# Altium PCB Minion.PcbDoc (part 6 of 10)
Units mm, origin at the board's own origin, x right, y up, seen from the top; angles counter-clockwise.
Board outline 250 x 250 mm, 4 copper layers (Top Layer, Mid-Top Layer, Mid-Bottom Layer, Bottom Layer); 557 components, 153 nets, 5229 pads, 7984 vias.
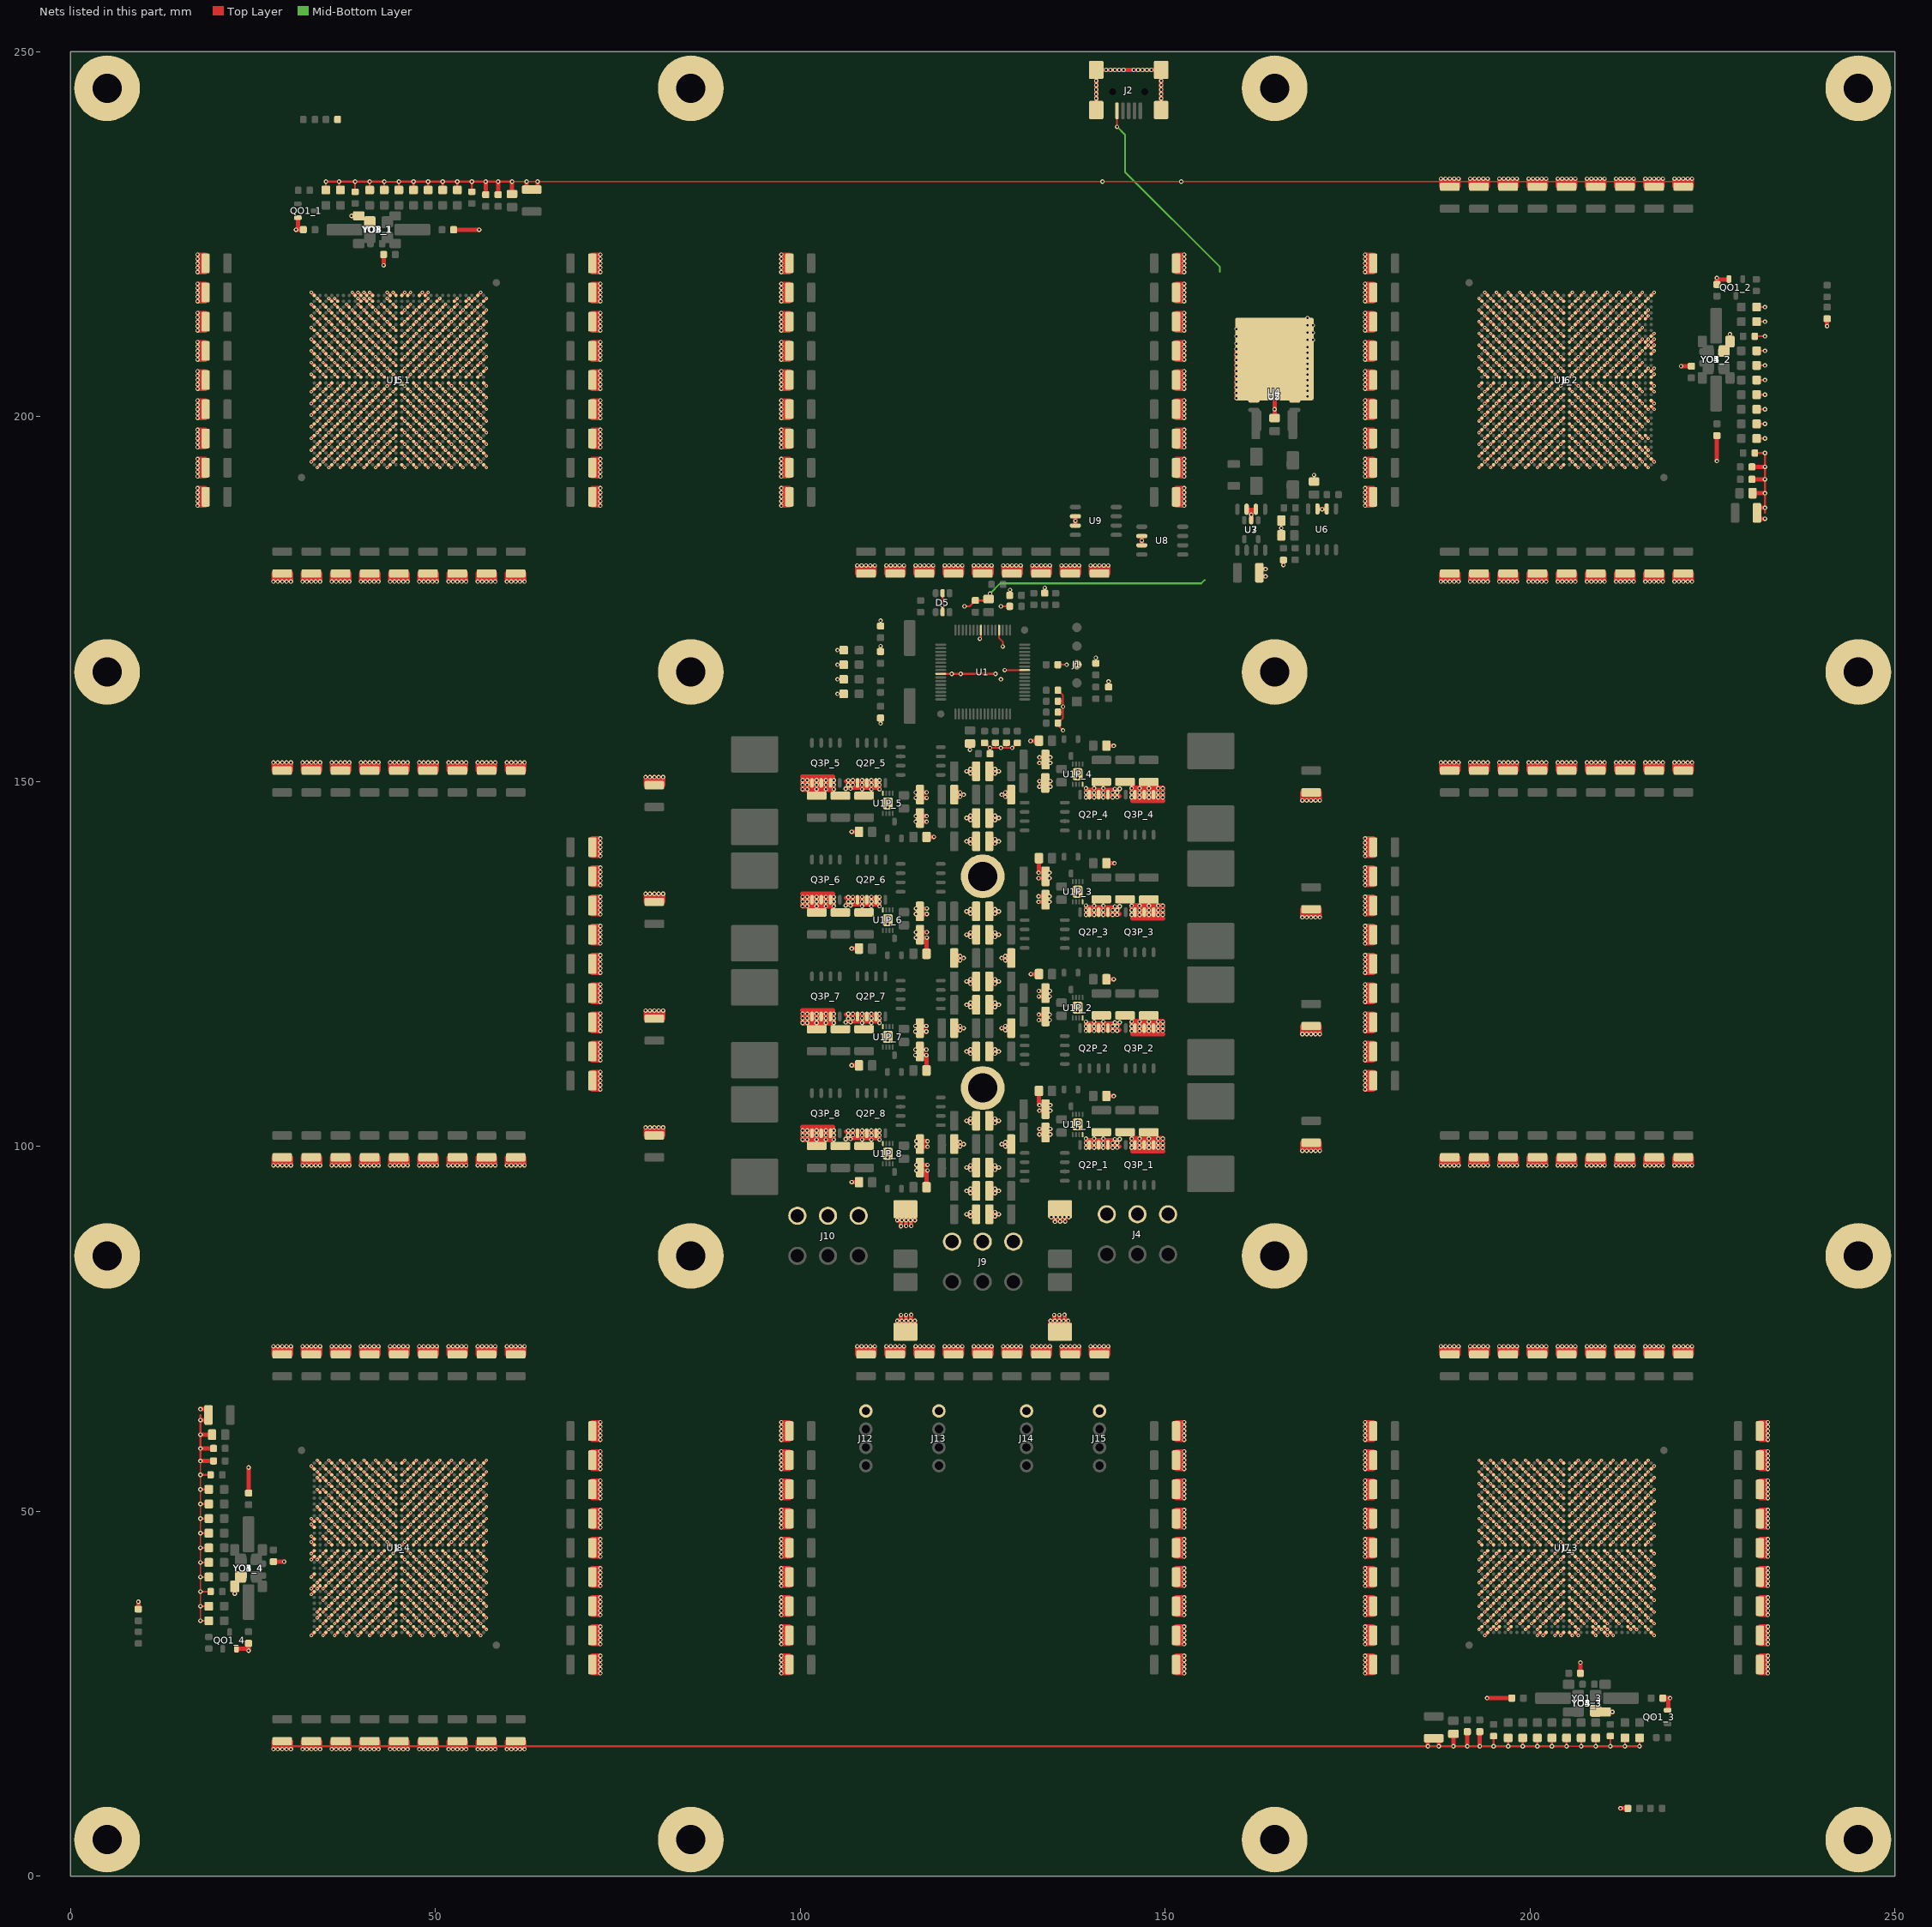
[diagram p8: the nets of this part, all layers, seen from the top]

## Via types
v1: diameter 0.6, hole 0.3, Top Layer to Bottom Layer, tented both sides, 4384 vias
v2: diameter 0.45, hole 0.2, Top Layer to Bottom Layer, tented both sides, 3600 vias

## Nets (pads, with @x,y where several pads share a name; then routed paths per layer and width w, separated by ;. In a path a pad name is that pad's centre, name@x,y a point inside that pad or via, vN(x,y) a via of type N, cw(c..) or ccw(c..) an arc to the next point about the centre after c; other vN are vias at no path point) (continued)
GND: C1.2 C1P_1.1 C1P_2.1 C1P_3.1 C1P_4.1 C1P_5.1 C1P_6.1 C1P_7.1 C1P_8.1 C2.2 C2P_1.2 C2P_2.2 C2P_3.2 C2P_4.2 C2P_5.2 C2P_6.2 C2P_7.2 C2P_8.2 C3.2 C4.2 C4P_1.2 C4P_2.2 C4P_3.2 C4P_4.2 C4P_5.2 C4P_6.2 C4P_7.2 C4P_8.2 C5P_1.2 C5P_2.2 C5P_3.2 C5P_4.2 C5P_5.2 C5P_6.2 C5P_7.2 C5P_8.2 C6P_1.2 C6P_2.2 C6P_3.2 C6P_4.2 C6P_5.2 C6P_6.2 C6P_7.2 C6P_8.2 C7.2 C7P_1.2 C7P_2.2 C7P_3.2 C7P_4.2 C7P_5.2 C7P_6.2 C7P_7.2 C7P_8.2 C8.2 C8P_1.2 C8P_2.2 C8P_3.2 C8P_4.2 C8P_5.2 C8P_6.2 C8P_7.2 C8P_8.2 C9.2 C9P_1.2 C9P_2.2 C9P_3.2 C9P_4.2 C9P_5.2 C9P_6.2 C9P_7.2 C9P_8.2 C10.2 C10P_1.2 C10P_2.2 C10P_3.2 C10P_4.2 C10P_5.2 C10P_6.2 C10P_7.2 C10P_8.2 C11.2 C11P_1.2 C11P_2.2 C11P_3.2 C11P_4.2 C11P_5.2 C11P_6.2 C11P_7.2 C11P_8.2 C12.2 C12P_1.2 C12P_2.2 C12P_3.2 C12P_4.2 C12P_5.2 C12P_6.2 C12P_7.2 C12P_8.2 C13.2 C14.2 C15.2 C16.2 C17.2 C25.1 C26.2 CF_1.2 CF_2.2 CF_3.2 CF_4.2 CF_5.2 CF_6.2 CF_7.2 CF_8.2 CF_9.2 CF_10.2 CF_11.2 CF_12.2 CF_13.2 CF_14.2 CF_15.2 CF_16.2 CF_17.2 CF_18.2 CF_19.2 CF_20.2 CF_21.2 CF_22.2 CF_23.2 CF_24.2 CF_25.2 CF_26.2 CF_27.2 CF_28.2 CF_29.2 CF_30.2 CF_31.2 CF_32.2 CF_33.2 CF_34.2 CF_35.2 CF_36.2 CF_37.2 CF_38.2 CF_39.2 CF_40.2 CF_41.2 CF_42.2 CF_43.2 CF_44.2 CF_45.2 CF_46.2 CF_47.2 CF_48.2 CF_49.2 CF_50.2 CF_51.2 CF_52.2 CF_53.2 CF_54.2 CF_55.2 CF_56.2 CF_57.2 CF_58.2 CF_59.2 CF_60.2 CF_61.2 CF_62.2 CF_63.2 CF_64.2 CF_65.2 CF_66.2 CF_67.2 CF_68.2 CF_69.2 CF_70.2 CF_71.2 CF_72.2 CF_73.2 CF_74.2 CF_75.2 CF_76.2 CF_77.2 CF_78.2 CF_79.2 CF_80.2 CF_81.2 CF_82.2 CF_83.2 CF_84.2 CF_85.2 CF_86.2 CF_87.2 CF_88.2 CF_89.2 CF_90.2 CF_91.2 CF_92.2 CF_93.2 CF_94.2 CF_95.2 CF_96.2 CF_97.2 CF_98.2 CF_99.2 CF_100.2 CF_101.2 CF_102.2 CF_103.2 CF_104.2 CF_105.2 CF_106.2 CF_107.2 CF_108.2 CF_109.2 CF_110.2 CF_111.2 CF_112.2 CM_1.2 CM_2.2 CM_3.2 CM_4.2 CM_5.2 CM_6.2 CM_7.2 CM_8.2 CM_9.2 CM_10.2 CM_11.2 CM_12.2 CM_13.2 CM_14.2 CM_15.2 CM_16.2 CM_17.2 CM_18.2 CM_19.2 CM_20.2 CM_21.2 CM_22.2 CM_23.2 CM_24.2 CM_25.2 CM_26.2 CM_27.2 CM_28.2 CM_29.2 CM_30.2 CM_31.2 CM_32.2 CM_33.2 CM_34.2 CM_35.2 CM_36.2 CM_37.2 CM_38.2 CM_39.2 CM_40.2 CM_41.2 CM_42.2 CM_43.2 CM_44.2 CM_45.2 CM_46.2 CM_47.2 CM_48.2 CM_49.2 CM_50.2 CM_51.2 CM_52.2 CM_53.2 CM_54.2 CM_55.2 CM_56.2 CM_57.2 CM_58.2 CM_59.2 CM_60.2 CM_61.2 CM_62.2 CM_63.2 CM_64.2 CM_65.2 CM_66.2 CM_67.2 CM_68.2 CM_69.2 CM_70.2 CM_71.2 CM_72.2 CM_73.2 CM_74.2 CM_75.2 CM_76.2 CM_77.2 CM_78.2 CM_79.2 CM_80.2 CM_81.2 CM_82.2 CM_83.2 CM_84.2 CM_85.2 CM_86.2 CM_87.2 CM_88.2 CM_89.2 CM_90.2 CM_91.2 CM_92.2 CM_93.2 CM_94.2 CM_95.2 CM_96.2 CM_97.2 CM_98.2 CM_99.2 CM_100.2 CM_101.2 CM_102.2 CM_103.2 CM_104.2 CM_105.2 CM_106.2 CM_107.2 CM_108.2 CM_109.2 CM_110.2 CM_111.2 CM_112.2 CO1_1.2 CO1_2.2 CO1_3.2 CO1_4.2 CO2_1.2 CO2_2.2 CO2_3.2 CO2_4.2 CO3_1.2 CO3_2.2 CO3_3.2 CO3_4.2 CO4_1.2 CO4_2.2 CO4_3.2 CO4_4.2 CO5_1.2 CO5_2.2 CO5_3.2 CO5_4.2 CO6_1.2 CO6_2.2 CO6_3.2 CO6_4.2 CO7_1.2 CO7_2.2 CO7_3.2 CO7_4.2 CO8_1.2 CO8_2.2 CO8_3.2 CO8_4.2 D1.1 D2.1 D3.1 D4.1 D5.2 D5.5 D6.2 D10.2 D11.2 D12.2 DI1_1.1 DI1_2.1 DI1_3.1 DI1_4.1 DI2_1.1 DI2_2.1 DI2_3.1 DI2_4.1 DI3_1.1 DI3_2.1 DI3_3.1 DI3_4.1 DI4_1.1 DI4_2.1 DI4_3.1 DI4_4.1 DI5_1.1 DI5_2.1 DI5_3.1 DI5_4.1 DI6_1.1 DI6_2.1 DI6_3.1 DI6_4.1 DI7_1.1 DI7_2.1 DI7_3.1 DI7_4.1 DI8_1.1 DI8_2.1 DI8_3.1 DI8_4.1 DI9_1.1 DI9_2.1 DI9_3.1 DI9_4.1 J1.3 J2.5 J2.6 J2.7 J2.8 J2.9 J4.1 J4.3 J4.5 J5.1 J6.1 J7.1 J8.1 J9.1 J9.3 J9.5 J10.1 J10.3 J10.5 J12.4 J13.4 J14.4 J15.4 pad.0@102.865,101.8 pad.0@102.865,117.8 pad.0@102.865,133.8 pad.0@102.865,149.8 pad.0@109.11,101.8 pad.0@109.11,117.8 pad.0@109.11,133.8 pad.0@109.11,149.8 pad.0@112,99 pad.0@112,115 pad.0@112,131 pad.0@112,147 pad.0@116.5,113 pad.0@116.5,116.2 pad.0@125,108 pad.0@125,137 pad.0@133.5,121 pad.0@133.7,117.8 pad.0@138,103 pad.0@138,119 pad.0@138,134.9 pad.0@138,151 pad.0@140.89,100.2 pad.0@140.89,116.2 pad.0@140.89,132.1 pad.0@140.891,148.2 pad.0@147.135,100.2 pad.0@147.135,116.2 pad.0@147.135,132.1 pad.0@147.135,148.2 Q2P_1.1 Q2P_1.2 Q2P_1.3 Q2P_2.1 Q2P_2.2 Q2P_2.3 Q2P_3.1 Q2P_3.2 Q2P_3.3 Q2P_4.1 Q2P_4.2 Q2P_4.3 Q2P_5.1 Q2P_5.2 Q2P_5.3 Q2P_6.1 Q2P_6.2 Q2P_6.3 Q2P_7.1 Q2P_7.2 Q2P_7.3 Q2P_8.1 Q2P_8.2 Q2P_8.3 Q3P_1.1 Q3P_1.2 Q3P_1.3 Q3P_2.1 Q3P_2.2 Q3P_2.3 Q3P_3.1 Q3P_3.2 Q3P_3.3 Q3P_4.1 Q3P_4.2 Q3P_4.3 Q3P_5.1 Q3P_5.2 Q3P_5.3 Q3P_6.1 Q3P_6.2 Q3P_6.3 Q3P_7.1 Q3P_7.2 Q3P_7.3 Q3P_8.1 Q3P_8.2 Q3P_8.3 QO1_1.2 QO1_2.2 QO1_3.2 QO1_4.2 R1.2 R2.2 R3.1 R4.1 R9.2 R10.2 R11.2 R12.1 R16.1 R31.1 RI1_1.2 RI1_2.2 RI1_3.2 RI1_4.2 RI2_1.2 RI2_2.2 RI2_3.2 RI2_4.2 U1.9 U1.20 U1.25 U1.41 U1_1.A1 U1_1.A3 U1_1.A5 U1_1.A7 U1_1.A9 U1_1.A11 U1_1.A13 U1_1.A15 U1_1.A17 U1_1.A19 U1_1.A21 U1_1.A23 U1_1.A25 U1_1.A27 U1_1.A29 U1_1.AA1 U1_1.AA3 U1_1.AA5 U1_1.AA7 U1_1.AA9 U1_1.AA11 U1_1.AA13 U1_1.AA15 U1_1.AA17 U1_1.AA19 U1_1.AA21 U1_1.AA23 U1_1.AA25 U1_1.AA27 U1_1.AA29 U1_1.AB2 U1_1.AB4 U1_1.AB6 U1_1.AB8 U1_1.AB10 U1_1.AB12 U1_1.AB14 U1_1.AB16 U1_1.AB18 U1_1.AB20 U1_1.AB22 U1_1.AB24 U1_1.AB26 U1_1.AB28 U1_1.AB30 U1_1.AC1 U1_1.AC3 U1_1.AC5 U1_1.AC7 U1_1.AC9 U1_1.AC11 U1_1.AC13 U1_1.AC15 U1_1.AC17 U1_1.AC19 U1_1.AC21 U1_1.AC23 U1_1.AC25 U1_1.AC27 U1_1.AC29 U1_1.AD2 U1_1.AD4 U1_1.AD6 U1_1.AD8 U1_1.AD10 U1_1.AD12 U1_1.AD14 U1_1.AD16 U1_1.AD18 U1_1.AD20 U1_1.AD22 U1_1.AD24 U1_1.AD26 U1_1.AD28 U1_1.AD30 U1_1.AE1 U1_1.AE3 U1_1.AE5 U1_1.AE7 U1_1.AE9 U1_1.AE11 U1_1.AE13 U1_1.AE15 U1_1.AE17 U1_1.AE19 U1_1.AE21 U1_1.AE23 U1_1.AE25 U1_1.AE27 U1_1.AE29 U1_1.AF2 U1_1.AF4 U1_1.AF6 U1_1.AF8 U1_1.AF10 U1_1.AF12 U1_1.AF14 U1_1.AF16 U1_1.AF18 U1_1.AF20 U1_1.AF22 U1_1.AF24 U1_1.AF26 U1_1.AF28 U1_1.AF30 U1_1.AG1 U1_1.AG3 U1_1.AG5 U1_1.AG7 U1_1.AG9 U1_1.AG11 U1_1.AG13 U1_1.AG15 U1_1.AG17 U1_1.AG19 U1_1.AG21 U1_1.AG23 U1_1.AG25 U1_1.AG27 U1_1.AG29 U1_1.AH2 U1_1.AH4 U1_1.AH6 U1_1.AH8 U1_1.AH10 U1_1.AH12 U1_1.AH14 U1_1.AH16 U1_1.AH18 U1_1.AH20 U1_1.AH22 U1_1.AH24 U1_1.AH26 U1_1.AH28 U1_1.AH30 U1_1.AJ1 U1_1.AJ3 U1_1.AJ4 U1_1.AJ6 U1_1.AJ9 U1_1.AJ11 U1_1.AJ17 U1_1.AJ20 U1_1.AJ21 U1_1.AJ22 U1_1.AJ26 U1_1.AJ27 U1_1.AJ29 U1_1.AK2 U1_1.AK11 U1_1.AK12 U1_1.AK14 U1_1.AK15 U1_1.AK16 U1_1.AK17 U1_1.AK20 U1_1.AK21 U1_1.AK22 U1_1.AK23 U1_1.AK30 U1_1.B2 U1_1.B4 U1_1.B6 U1_1.B8 U1_1.B10 U1_1.B12 U1_1.B14 U1_1.B16 U1_1.B18 U1_1.B20 U1_1.B22 U1_1.B24 U1_1.B26 U1_1.B28 U1_1.B30 U1_1.C1 U1_1.C3 U1_1.C5 U1_1.C7 U1_1.C9 U1_1.C11 U1_1.C13 U1_1.C15 U1_1.C17 U1_1.C19 U1_1.C21 U1_1.C23 U1_1.C25 U1_1.C27 U1_1.C29 U1_1.D2 U1_1.D4 U1_1.D6 U1_1.D8 U1_1.D10 U1_1.D12 U1_1.D14 U1_1.D16 U1_1.D18 U1_1.D20 U1_1.D22 U1_1.D24 U1_1.D26 U1_1.D28 U1_1.D30 U1_1.E1 U1_1.E3 U1_1.E5 U1_1.E7 U1_1.E9 U1_1.E11 U1_1.E13 U1_1.E15 U1_1.E17 U1_1.E19 U1_1.E21 U1_1.E23 U1_1.E25 U1_1.E27 U1_1.E29 U1_1.F2 U1_1.F4 U1_1.F6 U1_1.F8 U1_1.F10 U1_1.F12 U1_1.F14 U1_1.F16 U1_1.F18 U1_1.F20 U1_1.F22 U1_1.F24 U1_1.F26 U1_1.F28 U1_1.F30 U1_1.G1 U1_1.G3 U1_1.G5 U1_1.G7 U1_1.G9 U1_1.G11 U1_1.G13 U1_1.G15 U1_1.G17 U1_1.G19 U1_1.G21 U1_1.G23 U1_1.G25 U1_1.G27 U1_1.G29 U1_1.H2 U1_1.H4 U1_1.H6 U1_1.H8 U1_1.H10 U1_1.H12 U1_1.H14 U1_1.H16 U1_1.H18 U1_1.H20 U1_1.H22 U1_1.H24 U1_1.H26 U1_1.H28 U1_1.H30 U1_1.J1 U1_1.J3 U1_1.J5 U1_1.J7 U1_1.J9 U1_1.J11 U1_1.J13 U1_1.J15 U1_1.J17 U1_1.J19 U1_1.J21 U1_1.J23 U1_1.J25 U1_1.J27 U1_1.J29 U1_1.K2 U1_1.K4 U1_1.K6 U1_1.K8 U1_1.K10 U1_1.K12 U1_1.K14 U1_1.K16 U1_1.K18 U1_1.K20 U1_1.K22 U1_1.K24 U1_1.K26 U1_1.K28 U1_1.K30 U1_1.L1 U1_1.L3 U1_1.L5 U1_1.L7 U1_1.L9 U1_1.L11 U1_1.L13 U1_1.L15 U1_1.L17 U1_1.L19 U1_1.L21 U1_1.L23 U1_1.L25 U1_1.L27 U1_1.L29 U1_1.M2 U1_1.M4 U1_1.M6 U1_1.M8 U1_1.M10 U1_1.M12 U1_1.M14 U1_1.M16 U1_1.M18 U1_1.M20 U1_1.M22 U1_1.M24 U1_1.M26 U1_1.M28 U1_1.M30 U1_1.N1 U1_1.N3 U1_1.N5 U1_1.N7 U1_1.N9 U1_1.N11 U1_1.N13 U1_1.N15 U1_1.N17 U1_1.N19 U1_1.N21 U1_1.N23 U1_1.N25 U1_1.N27 U1_1.N29 U1_1.P2 U1_1.P4 U1_1.P6 U1_1.P8 U1_1.P10 U1_1.P12 U1_1.P14 U1_1.P16 U1_1.P18 U1_1.P20 U1_1.P22 U1_1.P24 U1_1.P26 U1_1.P28 U1_1.P30 U1_1.R1 U1_1.R3 U1_1.R5 U1_1.R7 U1_1.R9 U1_1.R11 U1_1.R13 U1_1.R15 U1_1.R17 U1_1.R19 U1_1.R21 U1_1.R23 U1_1.R25 U1_1.R27 U1_1.R29 U1_1.T2 U1_1.T4 U1_1.T6 U1_1.T8 U1_1.T10 U1_1.T12 U1_1.T14 U1_1.T16 U1_1.T18 U1_1.T20 U1_1.T22 U1_1.T24 U1_1.T26 U1_1.T28 U1_1.T30 U1_1.U1 U1_1.U3 U1_1.U5 U1_1.U7 U1_1.U9 U1_1.U11 U1_1.U13 U1_1.U15 U1_1.U17 U1_1.U19 U1_1.U21 U1_1.U23 U1_1.U25 U1_1.U27 U1_1.U29 U1_1.V2 U1_1.V4 U1_1.V6 U1_1.V8 U1_1.V10 U1_1.V12 U1_1.V14 U1_1.V16 U1_1.V18 U1_1.V20 U1_1.V22 U1_1.V24 U1_1.V26 U1_1.V28 U1_1.V30 U1_1.W1 U1_1.W3 U1_1.W5 U1_1.W7 U1_1.W9 U1_1.W11 U1_1.W13 U1_1.W15 U1_1.W17 U1_1.W19 U1_1.W21 U1_1.W23 U1_1.W25 U1_1.W27 U1_1.W29 U1_1.Y2 U1_1.Y4 U1_1.Y6 U1_1.Y8 U1_1.Y10 U1_1.Y12 U1_1.Y14 U1_1.Y16 U1_1.Y18 U1_1.Y20 U1_1.Y22 U1_1.Y24 U1_1.Y26 U1_1.Y28 U1_1.Y30 U1_2.A1 U1_2.A3 U1_2.A5 U1_2.A7 U1_2.A9 U1_2.A11 U1_2.A13 U1_2.A15 U1_2.A17 U1_2.A19 U1_2.A21 U1_2.A23 U1_2.A25 U1_2.A27 U1_2.A29 U1_2.AA1 U1_2.AA3 U1_2.AA5 U1_2.AA7 U1_2.AA9 U1_2.AA11 U1_2.AA13 U1_2.AA15 U1_2.AA17 U1_2.AA19 U1_2.AA21 U1_2.AA23 U1_2.AA25 U1_2.AA27 U1_2.AA29 U1_2.AB2 U1_2.AB4 U1_2.AB6 U1_2.AB8 U1_2.AB10 U1_2.AB12 U1_2.AB14 U1_2.AB16 U1_2.AB18 U1_2.AB20 U1_2.AB22 U1_2.AB24 U1_2.AB26 U1_2.AB28 U1_2.AB30 U1_2.AC1 U1_2.AC3 U1_2.AC5 U1_2.AC7 U1_2.AC9 U1_2.AC11 U1_2.AC13 U1_2.AC15 U1_2.AC17 U1_2.AC19 U1_2.AC21 U1_2.AC23 U1_2.AC25 U1_2.AC27 U1_2.AC29 U1_2.AD2 U1_2.AD4 U1_2.AD6 U1_2.AD8 U1_2.AD10 U1_2.AD12 U1_2.AD14 U1_2.AD16 U1_2.AD18 U1_2.AD20 U1_2.AD22 U1_2.AD24 U1_2.AD26 U1_2.AD28 U1_2.AD30 U1_2.AE1 U1_2.AE3 U1_2.AE5 U1_2.AE7 U1_2.AE9 U1_2.AE11 U1_2.AE13 U1_2.AE15 U1_2.AE17 U1_2.AE19 U1_2.AE21 U1_2.AE23 U1_2.AE25 U1_2.AE27 U1_2.AE29 U1_2.AF2 U1_2.AF4 U1_2.AF6 U1_2.AF8 U1_2.AF10 U1_2.AF12 U1_2.AF14 U1_2.AF16 U1_2.AF18 U1_2.AF20 U1_2.AF22 U1_2.AF24 U1_2.AF26 U1_2.AF28 U1_2.AF30 U1_2.AG1 U1_2.AG3 U1_2.AG5 U1_2.AG7 U1_2.AG9 U1_2.AG11 U1_2.AG13 U1_2.AG15 U1_2.AG17 U1_2.AG19 U1_2.AG21 U1_2.AG23 U1_2.AG25 U1_2.AG27 U1_2.AG29 U1_2.AH2 U1_2.AH4 U1_2.AH6 U1_2.AH8 U1_2.AH10 U1_2.AH12 U1_2.AH14 U1_2.AH16 U1_2.AH18 U1_2.AH20 U1_2.AH22 U1_2.AH24 U1_2.AH26 U1_2.AH28 U1_2.AH30 U1_2.AJ1 U1_2.AJ3 U1_2.AJ4 U1_2.AJ6 U1_2.AJ9 U1_2.AJ11 U1_2.AJ17 U1_2.AJ21 U1_2.AJ22 U1_2.AJ26 U1_2.AJ27 U1_2.AJ29 U1_2.AK2 U1_2.AK11 U1_2.AK12 U1_2.AK14 U1_2.AK15 U1_2.AK16 U1_2.AK17 U1_2.AK20 U1_2.AK21 U1_2.AK22 U1_2.AK23 U1_2.AK30 U1_2.B2 U1_2.B4 U1_2.B6 U1_2.B8 U1_2.B10 U1_2.B12 U1_2.B14 U1_2.B16 U1_2.B18 U1_2.B20 U1_2.B22 U1_2.B24 U1_2.B26 U1_2.B28 U1_2.B30 U1_2.C1 U1_2.C3 U1_2.C5 U1_2.C7 U1_2.C9 U1_2.C11 U1_2.C13 U1_2.C15 U1_2.C17 U1_2.C19 U1_2.C21 U1_2.C23 U1_2.C25 U1_2.C27 U1_2.C29 U1_2.D2 U1_2.D4 U1_2.D6 U1_2.D8 U1_2.D10 U1_2.D12 U1_2.D14 U1_2.D16 U1_2.D18 U1_2.D20 U1_2.D22 U1_2.D24 U1_2.D26 U1_2.D28 U1_2.D30 U1_2.E1 U1_2.E3 U1_2.E5 U1_2.E7 U1_2.E9 U1_2.E11 U1_2.E13 U1_2.E15 U1_2.E17 U1_2.E19 U1_2.E21 U1_2.E23 U1_2.E25 U1_2.E27 U1_2.E29 U1_2.F2 U1_2.F4 U1_2.F6 U1_2.F8 U1_2.F10 U1_2.F12 U1_2.F14 U1_2.F16 U1_2.F18 U1_2.F20 U1_2.F22 U1_2.F24 U1_2.F26 U1_2.F28 U1_2.F30 U1_2.G1 U1_2.G3 U1_2.G5 U1_2.G7 U1_2.G9 U1_2.G11 U1_2.G13 U1_2.G15 U1_2.G17 U1_2.G19 U1_2.G21 U1_2.G23 U1_2.G25 U1_2.G27 U1_2.G29 U1_2.H2 U1_2.H4 U1_2.H6 U1_2.H8 U1_2.H10 U1_2.H12 U1_2.H14 U1_2.H16 U1_2.H18 U1_2.H20 U1_2.H22 U1_2.H24 U1_2.H26 U1_2.H28 U1_2.H30 U1_2.J1 U1_2.J3 U1_2.J5 U1_2.J7 U1_2.J9 U1_2.J11 U1_2.J13 U1_2.J15 U1_2.J17 U1_2.J19 U1_2.J21 U1_2.J23 U1_2.J25 U1_2.J27 U1_2.J29 U1_2.K2 U1_2.K4 U1_2.K6 U1_2.K8 U1_2.K10 U1_2.K12 U1_2.K14 U1_2.K16 U1_2.K18 U1_2.K20 U1_2.K22 U1_2.K24 U1_2.K26 U1_2.K28 U1_2.K30 U1_2.L1 U1_2.L3 U1_2.L5 U1_2.L7 U1_2.L9 U1_2.L11 U1_2.L13 U1_2.L15 U1_2.L17 U1_2.L19 U1_2.L21 U1_2.L23 U1_2.L25 U1_2.L27 U1_2.L29 U1_2.M2 U1_2.M4 U1_2.M6 U1_2.M8 U1_2.M10 U1_2.M12 U1_2.M14 U1_2.M16 U1_2.M18 U1_2.M20 U1_2.M22 U1_2.M24 U1_2.M26 U1_2.M28 U1_2.M30 U1_2.N1 U1_2.N3 U1_2.N5 U1_2.N7 U1_2.N9 U1_2.N11 U1_2.N13 U1_2.N15 U1_2.N17 U1_2.N19 U1_2.N21 U1_2.N23 U1_2.N25 U1_2.N27 U1_2.N29 U1_2.P2 U1_2.P4 U1_2.P6 U1_2.P8 U1_2.P10 U1_2.P12 U1_2.P14 U1_2.P16 U1_2.P18 U1_2.P20 U1_2.P22 U1_2.P24 U1_2.P26 U1_2.P28 U1_2.P30 U1_2.R1 U1_2.R3 U1_2.R5 U1_2.R7 U1_2.R9 U1_2.R11 U1_2.R13 U1_2.R15 U1_2.R17 U1_2.R19 U1_2.R21 U1_2.R23 U1_2.R25 U1_2.R27 U1_2.R29 U1_2.T2 U1_2.T4 U1_2.T6 U1_2.T8 U1_2.T10 U1_2.T12 U1_2.T14 U1_2.T16 U1_2.T18 U1_2.T20 U1_2.T22 U1_2.T24 U1_2.T26 U1_2.T28 U1_2.T30 U1_2.U1 U1_2.U3 U1_2.U5 U1_2.U7 U1_2.U9 U1_2.U11 U1_2.U13 U1_2.U15 U1_2.U17 U1_2.U19 U1_2.U21 U1_2.U23 U1_2.U25 U1_2.U27 U1_2.U29 U1_2.V2 U1_2.V4 U1_2.V6 U1_2.V8 U1_2.V10 U1_2.V12 U1_2.V14 U1_2.V16 U1_2.V18 U1_2.V20 U1_2.V22 U1_2.V24 U1_2.V26 U1_2.V28 U1_2.V30 U1_2.W1 U1_2.W3 U1_2.W5 U1_2.W7 U1_2.W9 U1_2.W11 U1_2.W13 U1_2.W15 U1_2.W17 U1_2.W19 U1_2.W21 U1_2.W23 U1_2.W25 U1_2.W27 U1_2.W29 U1_2.Y2 U1_2.Y4 U1_2.Y6 U1_2.Y8 U1_2.Y10 U1_2.Y12 U1_2.Y14 U1_2.Y16 U1_2.Y18 U1_2.Y20 U1_2.Y22 U1_2.Y24 U1_2.Y26 U1_2.Y28 U1_2.Y30 U1_3.A1 U1_3.A3 U1_3.A5 U1_3.A7 U1_3.A9 U1_3.A11 U1_3.A13 U1_3.A15 U1_3.A17 U1_3.A19 U1_3.A21 U1_3.A23 U1_3.A25 U1_3.A27 U1_3.A29 U1_3.AA1 U1_3.AA3 U1_3.AA5 U1_3.AA7 U1_3.AA9 U1_3.AA11 U1_3.AA13 U1_3.AA15 U1_3.AA17 U1_3.AA19 U1_3.AA21 U1_3.AA23 U1_3.AA25 U1_3.AA27 U1_3.AA29 U1_3.AB2 U1_3.AB4 U1_3.AB6 U1_3.AB8 U1_3.AB10 U1_3.AB12 U1_3.AB14 U1_3.AB16 U1_3.AB18 U1_3.AB20 U1_3.AB22 U1_3.AB24 U1_3.AB26 U1_3.AB28 U1_3.AB30 U1_3.AC1 U1_3.AC3 U1_3.AC5 U1_3.AC7 U1_3.AC9 U1_3.AC11 U1_3.AC13 U1_3.AC15 U1_3.AC17 U1_3.AC19 U1_3.AC21 U1_3.AC23 U1_3.AC25 U1_3.AC27 U1_3.AC29 U1_3.AD2 U1_3.AD4 U1_3.AD6 U1_3.AD8 U1_3.AD10 U1_3.AD12 U1_3.AD14 U1_3.AD16 U1_3.AD18 U1_3.AD20 U1_3.AD22 U1_3.AD24 U1_3.AD26 U1_3.AD28 U1_3.AD30 U1_3.AE1 U1_3.AE3 U1_3.AE5 U1_3.AE7 U1_3.AE9 U1_3.AE11 U1_3.AE13 U1_3.AE15 U1_3.AE17 U1_3.AE19 U1_3.AE21 U1_3.AE23 U1_3.AE25 U1_3.AE27 U1_3.AE29 U1_3.AF2 U1_3.AF4 U1_3.AF6 U1_3.AF8 U1_3.AF10 U1_3.AF12 U1_3.AF14 U1_3.AF16 U1_3.AF18 U1_3.AF20 U1_3.AF22 U1_3.AF24 U1_3.AF26 U1_3.AF28 U1_3.AF30 U1_3.AG1 U1_3.AG3 U1_3.AG5 U1_3.AG7 U1_3.AG9 U1_3.AG11 U1_3.AG13 U1_3.AG15 U1_3.AG17 U1_3.AG19 U1_3.AG21 U1_3.AG23 U1_3.AG25 U1_3.AG27 U1_3.AG29 U1_3.AH2 U1_3.AH4 U1_3.AH6 U1_3.AH8 U1_3.AH10 U1_3.AH12 U1_3.AH14 U1_3.AH16 U1_3.AH18 U1_3.AH20 U1_3.AH22 U1_3.AH24 U1_3.AH26 U1_3.AH28 U1_3.AH30 U1_3.AJ1 U1_3.AJ3 U1_3.AJ4 U1_3.AJ6 U1_3.AJ9 U1_3.AJ11 U1_3.AJ17 U1_3.AJ20 U1_3.AJ21 U1_3.AJ22 U1_3.AJ26 U1_3.AJ27 U1_3.AJ29 U1_3.AK2 U1_3.AK11 U1_3.AK12 U1_3.AK14 U1_3.AK15 U1_3.AK16 U1_3.AK17 U1_3.AK20 U1_3.AK22 U1_3.AK23 U1_3.AK30 U1_3.B2 U1_3.B4 U1_3.B6 U1_3.B8 U1_3.B10 U1_3.B12 U1_3.B14 U1_3.B16 U1_3.B18 U1_3.B20 U1_3.B22 U1_3.B24 U1_3.B26 U1_3.B28 U1_3.B30 U1_3.C1 U1_3.C3 U1_3.C5 U1_3.C7 U1_3.C9 U1_3.C11 U1_3.C13 U1_3.C15 U1_3.C17 U1_3.C19 U1_3.C21 U1_3.C23 U1_3.C25 U1_3.C27 U1_3.C29 U1_3.D2 U1_3.D4 U1_3.D6 U1_3.D8 U1_3.D10 U1_3.D12 U1_3.D14 U1_3.D16 U1_3.D18 U1_3.D20 U1_3.D22 U1_3.D24 U1_3.D26 U1_3.D28 U1_3.D30 U1_3.E1 U1_3.E3 U1_3.E5 U1_3.E7 U1_3.E9 U1_3.E11 U1_3.E13 U1_3.E15 U1_3.E17 U1_3.E19 U1_3.E21 U1_3.E23 U1_3.E25 U1_3.E27 U1_3.E29 U1_3.F2 U1_3.F4 U1_3.F6 U1_3.F8 U1_3.F10 U1_3.F12 U1_3.F14 U1_3.F16 U1_3.F18 U1_3.F20 U1_3.F22 U1_3.F24 U1_3.F26 U1_3.F28 U1_3.F30 U1_3.G1 U1_3.G3 U1_3.G5 U1_3.G7 U1_3.G9 U1_3.G11 U1_3.G13 U1_3.G15 U1_3.G17 U1_3.G19 U1_3.G21 U1_3.G23 U1_3.G25 U1_3.G27 U1_3.G29 U1_3.H2 U1_3.H4 U1_3.H6 U1_3.H8 U1_3.H10 U1_3.H12 U1_3.H14 U1_3.H16 U1_3.H18 U1_3.H20 U1_3.H22 U1_3.H24 U1_3.H26 U1_3.H28 U1_3.H30 U1_3.J1 U1_3.J3 U1_3.J5 U1_3.J7 U1_3.J9 U1_3.J11 U1_3.J13 U1_3.J15 U1_3.J17 U1_3.J19 U1_3.J21 U1_3.J23 U1_3.J25 U1_3.J27 U1_3.J29 U1_3.K2 U1_3.K4 U1_3.K6 U1_3.K8 U1_3.K10 U1_3.K12 U1_3.K14 U1_3.K16 U1_3.K18 U1_3.K20 U1_3.K22 U1_3.K24 U1_3.K26 U1_3.K28 U1_3.K30 U1_3.L1 U1_3.L3 U1_3.L5 U1_3.L7 U1_3.L9 U1_3.L11 U1_3.L13 U1_3.L15 U1_3.L17 U1_3.L19 U1_3.L21 U1_3.L23 U1_3.L25 U1_3.L27 U1_3.L29 U1_3.M2 U1_3.M4 U1_3.M6 U1_3.M8 U1_3.M10 U1_3.M12 U1_3.M14 U1_3.M16 U1_3.M18 U1_3.M20 U1_3.M22 U1_3.M24 U1_3.M26 U1_3.M28 U1_3.M30 U1_3.N1 U1_3.N3 U1_3.N5 U1_3.N7 U1_3.N9 U1_3.N11 U1_3.N13 U1_3.N15 U1_3.N17 U1_3.N19 U1_3.N21 U1_3.N23 U1_3.N25 U1_3.N27 U1_3.N29 U1_3.P2 U1_3.P4 U1_3.P6 U1_3.P8 U1_3.P10 U1_3.P12 U1_3.P14 U1_3.P16 U1_3.P18 U1_3.P20 U1_3.P22 U1_3.P24 U1_3.P26 U1_3.P28 U1_3.P30 U1_3.R1 U1_3.R3 U1_3.R5 U1_3.R7 U1_3.R9 U1_3.R11 U1_3.R13 U1_3.R15 U1_3.R17 U1_3.R19 U1_3.R21 U1_3.R23 U1_3.R25 U1_3.R27 U1_3.R29 U1_3.T2 U1_3.T4 U1_3.T6 U1_3.T8 U1_3.T10 U1_3.T12 U1_3.T14 U1_3.T16 U1_3.T18 U1_3.T20 U1_3.T22 U1_3.T24 U1_3.T26 U1_3.T28 U1_3.T30 U1_3.U1 U1_3.U3 U1_3.U5 U1_3.U7 U1_3.U9 U1_3.U11 U1_3.U13 U1_3.U15 U1_3.U17 U1_3.U19 U1_3.U21 U1_3.U23 U1_3.U25 U1_3.U27 U1_3.U29 U1_3.V2 U1_3.V4 U1_3.V6 U1_3.V8 U1_3.V10 U1_3.V12 U1_3.V14 U1_3.V16 U1_3.V18 U1_3.V20 U1_3.V22 U1_3.V24 U1_3.V26 U1_3.V28 U1_3.V30 U1_3.W1 U1_3.W3 U1_3.W5 U1_3.W7 U1_3.W9 U1_3.W11 U1_3.W13 U1_3.W15 U1_3.W17 U1_3.W19 U1_3.W21 U1_3.W23 U1_3.W25 U1_3.W27 U1_3.W29 U1_3.Y2 U1_3.Y4 U1_3.Y6 U1_3.Y8 U1_3.Y10 U1_3.Y12 U1_3.Y14 U1_3.Y16 U1_3.Y18 U1_3.Y20 U1_3.Y22 U1_3.Y24 U1_3.Y26 U1_3.Y28 U1_3.Y30 U1_4.A1 U1_4.A3 U1_4.A5 U1_4.A7 U1_4.A9 U1_4.A11 U1_4.A13 U1_4.A15 U1_4.A17 U1_4.A19 U1_4.A21 U1_4.A23 U1_4.A25 U1_4.A27 U1_4.A29 U1_4.AA1 U1_4.AA3 U1_4.AA5 U1_4.AA7 U1_4.AA9 U1_4.AA11 U1_4.AA13 U1_4.AA15 U1_4.AA17 U1_4.AA19 U1_4.AA21 U1_4.AA23 U1_4.AA25 U1_4.AA27 U1_4.AA29 U1_4.AB2 U1_4.AB4 U1_4.AB6 U1_4.AB8 U1_4.AB10 U1_4.AB12 U1_4.AB14 U1_4.AB16 U1_4.AB18 U1_4.AB20 U1_4.AB22 U1_4.AB24 U1_4.AB26 U1_4.AB28 U1_4.AB30 U1_4.AC1 U1_4.AC3 U1_4.AC5 U1_4.AC7 U1_4.AC9 U1_4.AC11 U1_4.AC13 U1_4.AC15 U1_4.AC17 U1_4.AC19 U1_4.AC21 U1_4.AC23 U1_4.AC25 U1_4.AC27 U1_4.AC29 U1_4.AD2 U1_4.AD4 U1_4.AD6 U1_4.AD8 U1_4.AD10 U1_4.AD12 U1_4.AD14 U1_4.AD16 U1_4.AD18 U1_4.AD20 U1_4.AD22 U1_4.AD24 U1_4.AD26 U1_4.AD28 U1_4.AD30 U1_4.AE1 U1_4.AE3 U1_4.AE5 U1_4.AE7 U1_4.AE9 U1_4.AE11 U1_4.AE13 U1_4.AE15 U1_4.AE17 U1_4.AE19 U1_4.AE21 U1_4.AE23 U1_4.AE25 U1_4.AE27 U1_4.AE29 U1_4.AF2 U1_4.AF4 U1_4.AF6 U1_4.AF8 U1_4.AF10 U1_4.AF12 U1_4.AF14 U1_4.AF16 U1_4.AF18 U1_4.AF20 U1_4.AF22 U1_4.AF24 U1_4.AF26 U1_4.AF28 U1_4.AF30 U1_4.AG1 U1_4.AG3 U1_4.AG5 U1_4.AG7 U1_4.AG9 U1_4.AG11 U1_4.AG13 U1_4.AG15 U1_4.AG17 U1_4.AG19 U1_4.AG21 U1_4.AG23 U1_4.AG25 U1_4.AG27 U1_4.AG29 U1_4.AH2 U1_4.AH4 U1_4.AH6 U1_4.AH8 U1_4.AH10 U1_4.AH12 U1_4.AH14 U1_4.AH16 U1_4.AH18 U1_4.AH20 U1_4.AH22 U1_4.AH24 U1_4.AH26 U1_4.AH28 U1_4.AH30 U1_4.AJ1 U1_4.AJ3 U1_4.AJ4 U1_4.AJ6 U1_4.AJ9 U1_4.AJ11 U1_4.AJ17 U1_4.AJ21 U1_4.AJ22 U1_4.AJ26 U1_4.AJ27 U1_4.AJ29 U1_4.AK2 U1_4.AK11 U1_4.AK12 U1_4.AK14 U1_4.AK15 U1_4.AK16 U1_4.AK17 U1_4.AK20 U1_4.AK22 U1_4.AK23 U1_4.AK30 U1_4.B2 U1_4.B4 U1_4.B6 U1_4.B8 U1_4.B10 U1_4.B12 U1_4.B14 U1_4.B16 U1_4.B18 U1_4.B20 U1_4.B22 U1_4.B24 U1_4.B26 U1_4.B28 U1_4.B30 U1_4.C1 U1_4.C3 U1_4.C5 U1_4.C7 U1_4.C9 U1_4.C11 U1_4.C13 U1_4.C15 U1_4.C17 U1_4.C19 U1_4.C21 U1_4.C23 U1_4.C25 U1_4.C27 U1_4.C29 U1_4.D2 U1_4.D4 U1_4.D6 U1_4.D8 U1_4.D10 U1_4.D12 U1_4.D14 U1_4.D16 U1_4.D18 U1_4.D20 U1_4.D22 U1_4.D24 U1_4.D26 U1_4.D28 U1_4.D30 U1_4.E1 U1_4.E3 U1_4.E5 U1_4.E7 U1_4.E9 U1_4.E11 U1_4.E13 U1_4.E15 U1_4.E17 U1_4.E19 U1_4.E21 U1_4.E23 U1_4.E25 U1_4.E27 U1_4.E29 U1_4.F2 U1_4.F4 U1_4.F6 U1_4.F8 U1_4.F10 U1_4.F12 U1_4.F14 U1_4.F16 U1_4.F18 U1_4.F20 U1_4.F22 U1_4.F24 U1_4.F26 U1_4.F28 U1_4.F30 U1_4.G1 U1_4.G3 U1_4.G5 U1_4.G7 U1_4.G9 U1_4.G11 U1_4.G13 U1_4.G15 U1_4.G17 U1_4.G19 U1_4.G21 U1_4.G23 U1_4.G25 U1_4.G27 U1_4.G29 U1_4.H2 U1_4.H4 U1_4.H6 U1_4.H8 U1_4.H10 U1_4.H12 U1_4.H14 U1_4.H16 U1_4.H18 U1_4.H20 U1_4.H22 U1_4.H24 U1_4.H26 U1_4.H28 U1_4.H30 U1_4.J1 U1_4.J3 U1_4.J5 U1_4.J7 U1_4.J9 U1_4.J11 U1_4.J13 U1_4.J15 U1_4.J17 U1_4.J19 U1_4.J21 U1_4.J23 U1_4.J25 U1_4.J27 U1_4.J29 U1_4.K2 U1_4.K4 U1_4.K6 U1_4.K8 U1_4.K10 U1_4.K12 U1_4.K14 U1_4.K16 U1_4.K18 U1_4.K20 U1_4.K22 U1_4.K24 U1_4.K26 U1_4.K28 U1_4.K30 U1_4.L1 U1_4.L3 U1_4.L5 U1_4.L7 U1_4.L9 U1_4.L11 U1_4.L13 U1_4.L15 U1_4.L17 U1_4.L19 U1_4.L21 U1_4.L23 U1_4.L25 U1_4.L27 U1_4.L29 U1_4.M2 U1_4.M4 U1_4.M6 U1_4.M8 U1_4.M10 U1_4.M12 U1_4.M14 U1_4.M16 U1_4.M18 U1_4.M20 U1_4.M22 U1_4.M24 U1_4.M26 U1_4.M28 U1_4.M30 U1_4.N1 U1_4.N3 U1_4.N5 U1_4.N7 U1_4.N9 U1_4.N11 U1_4.N13 U1_4.N15 U1_4.N17 U1_4.N19 U1_4.N21 U1_4.N23 U1_4.N25 U1_4.N27 U1_4.N29 U1_4.P2 U1_4.P4 U1_4.P6 U1_4.P8 U1_4.P10 U1_4.P12 U1_4.P14 U1_4.P16 U1_4.P18 U1_4.P20 U1_4.P22 U1_4.P24 U1_4.P26 U1_4.P28 U1_4.P30 U1_4.R1 U1_4.R3 U1_4.R5 U1_4.R7 U1_4.R9 U1_4.R11 U1_4.R13 U1_4.R15 U1_4.R17 U1_4.R19 U1_4.R21 U1_4.R23 U1_4.R25 U1_4.R27 U1_4.R29 U1_4.T2 U1_4.T4 U1_4.T6 U1_4.T8 U1_4.T10 U1_4.T12 U1_4.T14 U1_4.T16 U1_4.T18 U1_4.T20 U1_4.T22 U1_4.T24 U1_4.T26 U1_4.T28 U1_4.T30 U1_4.U1 U1_4.U3 U1_4.U5 U1_4.U7 U1_4.U9 U1_4.U11 U1_4.U13 U1_4.U15 U1_4.U17 U1_4.U19 U1_4.U21 U1_4.U23 U1_4.U25 U1_4.U27 U1_4.U29 U1_4.V2 U1_4.V4 U1_4.V6 U1_4.V8 U1_4.V10 U1_4.V12 U1_4.V14 U1_4.V16 U1_4.V18 U1_4.V20 U1_4.V22 U1_4.V24 U1_4.V26 U1_4.V28 U1_4.V30 U1_4.W1 U1_4.W3 U1_4.W5 U1_4.W7 U1_4.W9 U1_4.W11 U1_4.W13 U1_4.W15 U1_4.W17 U1_4.W19 U1_4.W21 U1_4.W23 U1_4.W25 U1_4.W27 U1_4.W29 U1_4.Y2 U1_4.Y4 U1_4.Y6 U1_4.Y8 U1_4.Y10 U1_4.Y12 U1_4.Y14 U1_4.Y16 U1_4.Y18 U1_4.Y20 U1_4.Y22 U1_4.Y24 U1_4.Y26 U1_4.Y28 U1_4.Y30 U1P_1.4 U1P_1.9 U1P_2.4 U1P_2.9 U1P_3.4 U1P_3.9 U1P_4.4 U1P_4.9 U1P_5.4 U1P_5.9 U1P_6.4 U1P_6.9 U1P_7.4 U1P_7.9 U1P_8.4 U1P_8.9 U2.2 U2.3 U2.4 U2.5 U2.6 U2.7 U3.2 U4.2 U5.2 U6.6 U6.7 U7.6 U7.7 U8.6 U8.7 U9.6 U9.7 YO1_1.2 YO1_2.2 YO1_3.2 YO1_4.2 YO3_1.2 YO3_2.2 YO3_3.2 YO3_4.2 YO4_1.2 YO4_2.2 YO4_3.2 YO4_4.2 YO5_1.2 YO5_2.2 YO5_3.2 YO5_4.2 | length 2396.5
  Top Layer w0.2: v1(17.8,35) v1(17.8,56.9) ; v1(60.5,232.2) v1(141.4,232.2) ; 140.6,232.2 221.6,232.2 ; v1(205,17.8) v1(207,17.8)
  Top Layer w0.25: v1(17.8,56.9) v1(17.8,58.6) v1(17.8,60.5) 17.8,63.2 ; 27.9,17.8 v1(197,17.8) ; DI4_1.1@35,231.05 v1(35,232.2) v1(39,232.2) ; v1(36.8,232.2) 36.8,231.25 DI9_1.1@37,231.05 ; RI1_1.2@39,230.8 v1(39,232.2) ; DI6_1.1@41,231.05 v1(41,232.2) ; DI1_1.1@43,231.05 v1(43,232.2) ; DI5_1.1@45,231.05 v1(45,232.2) ; DI3_1.1@47,231.05 v1(47,232.2) ; DI8_1.1@49,231.05 v1(49,232.2) ; DI2_1.1@51,231.05 v1(51,232.2) ; DI7_1.1@53,231.05 v1(53,232.2) ; RI2_1.2@55,230.8 v1(55,232.2) ; v1(60.5,232.2) v1(58.6,232.2) v1(56.9,232.2) v1(55,232.2) ; v1(105.1,162) D1.1@105.95,162 ; v1(105.1,164) D2.1@105.95,164 ; v1(105.1,166) D4.1@105.95,166 ; v1(105.1,168) D3.1@105.95,168 ; v1(111,157.95) C13.2@111,158.7 ; C10.2@111,167.8 v1(111,168.55) ; C12.2@111,171.3 v1(111,172.05) ; U1.41@119.25,164.75 v1(120.75,164.75) v1(122,164.75) v1(126.75,164.75) ; D5.2@119.5,173.2 v1(119.5,174.075) D5.5@119.5,175.8 ; v1(122.5,174) 123.2,174 C9.2@124,174.8 125.6,174.8 C17.2@125.8,175 126,175.2 v1(126,175.75) ; v1(123.25,154.35) C1.2@123.25,155.2 ; v1(124.6,169.55) 124.75,169.7 U1.25@124.75,170.75 ; R2.2@125.25,155.3 125.3,155.3 v1(126,154.6) ; C11.2@126,153.8 v1(126,154.6) ; 126.75,154.6 R1.2@126.75,155.3 ; U1.20@127.25,170.75 127.25,169.634 127.75,169.134 v1(127.75,168.5) ; v1(127.5,174) R16.1@128.7,174 ; v1(128,165.25) U1.9@130.75,165.25 ; 128.25,154.625 R11.2@128.25,155.3 ; C2.2@128.7,175.5 128.75,175.55 v1(128.75,176.25) ; R10.2@129.75,155.3 v1(129.05,154.6) v1(127.5,154.6) v1(126,154.6) ; C3.2@133.5,175.8 v1(133.5,176.55) ; R12.1@135.3,159.5 136,159.5 ; R3.1@135.3,161 136,161 ; R4.1@135.3,162.5 136,161.8 136,161 ; C4.2@135.3,166 v1(136.5,166) ; v1(136,157) 135.3,157.7 R9.2@135.3,158 136,158.7 136,159.5 ; C8.2@140.5,166.2 v1(140.5,166.95) ; C7.2@142.25,162.95 v1(142.25,163.7) ; v1(143.4,239.7) J2.5@143.4,241.9 ; C25.1@165.675,185.513 C25.1@165.912,185.75 ; C26.2@165.912,183.725 C25.1@165.912,185.513 ; C15.2@170.4,191.1 v1(170.4,192) ; v1(195,17.8) RI2_3.2@195,19.2 ; DI7_3.1@197,18.95 v1(197,17.8) ; DI2_3.1@199,18.95 v1(199,17.8) ; DI8_3.1@201,18.95 v1(201,17.8) ; DI3_3.1@203,18.95 v1(203,17.8) ; DI5_3.1@205,18.95 v1(205,17.8) v1(203,17.8) ; DI1_3.1@207,18.95 v1(207,17.8) v1(209,17.8) ; DI6_3.1@209,18.95 v1(209,17.8) ; RI1_3.2@211,19.2 v1(211,17.8) ; DI9_3.1@213,18.95 v1(213,17.8) ; DI4_3.1@215,18.95 v1(215,17.8) v1(213,17.8) ; RI2_2.2@230.8,195 v1(232.2,195) v1(232.2,193.1) v1(232.2,191.4) v1(232.2,189.5) 232.2,186.8 ; RI1_2.2@230.8,211 v1(232.2,211) ; DI7_2.1@231.05,197 v1(232.2,197) ; DI2_2.1@231.05,199 v1(232.2,199) ; DI8_2.1@231.05,201 v1(232.2,201) ; DI3_2.1@231.05,203 v1(232.2,203) ; DI5_2.1@231.05,205 v1(232.2,205) ; DI1_2.1@231.05,207 v1(232.2,207) ; DI6_2.1@231.05,209 v1(232.2,209) ; DI9_2.1@231.05,213 v1(232.2,213) ; DI4_2.1@231.05,215 v1(232.2,215) ; v1(39,232.2) v1(41,232.2) ; v1(41,232.2) v1(43,232.2) ; v1(43,232.2) 43.025,232.175 44.975,232.175 v1(45,232.2) ; v1(45,232.2) v1(47,232.2) ; v1(47,232.2) v1(49,232.2) ; v1(49,232.2) v1(51,232.2) ; v1(51,232.2) v1(53,232.2) ; v1(53,232.2) v1(55,232.2) ; 136,159.5 v1(136,160.25) 136,161 ; v1(197,17.8) v1(199,17.8) ; v1(199,17.8) v1(201,17.8) ; v1(201,17.8) v1(203,17.8) ; v1(209,17.8) v1(211,17.8) ; v1(211,17.8) v1(213,17.8) ; v1(17.8,35) DI4_4.1@18.95,35 v1(17.8,35) ; v1(17.8,37) DI9_4.1@18.95,37 v1(17.8,37) ; v1(17.8,39) RI1_4.2@19.2,39 v1(17.8,39) ; v1(17.8,41) DI6_4.1@18.95,41 v1(17.8,41) ; v1(17.8,43) DI1_4.1@18.95,43 v1(17.8,43) ; v1(17.8,45) DI5_4.1@18.95,45 v1(17.8,45) ; v1(17.8,47) DI3_4.1@18.95,47 v1(17.8,47) ; v1(17.8,49) DI8_4.1@18.95,49 v1(17.8,49) ; v1(17.8,51) DI2_4.1@18.95,51 v1(17.8,51) ; v1(17.8,53) DI7_4.1@18.95,53 v1(17.8,53) ; v1(17.8,55) RI2_4.2@19.2,55 v1(17.8,55)